# KiCad board Accumulator.kicad_pcb
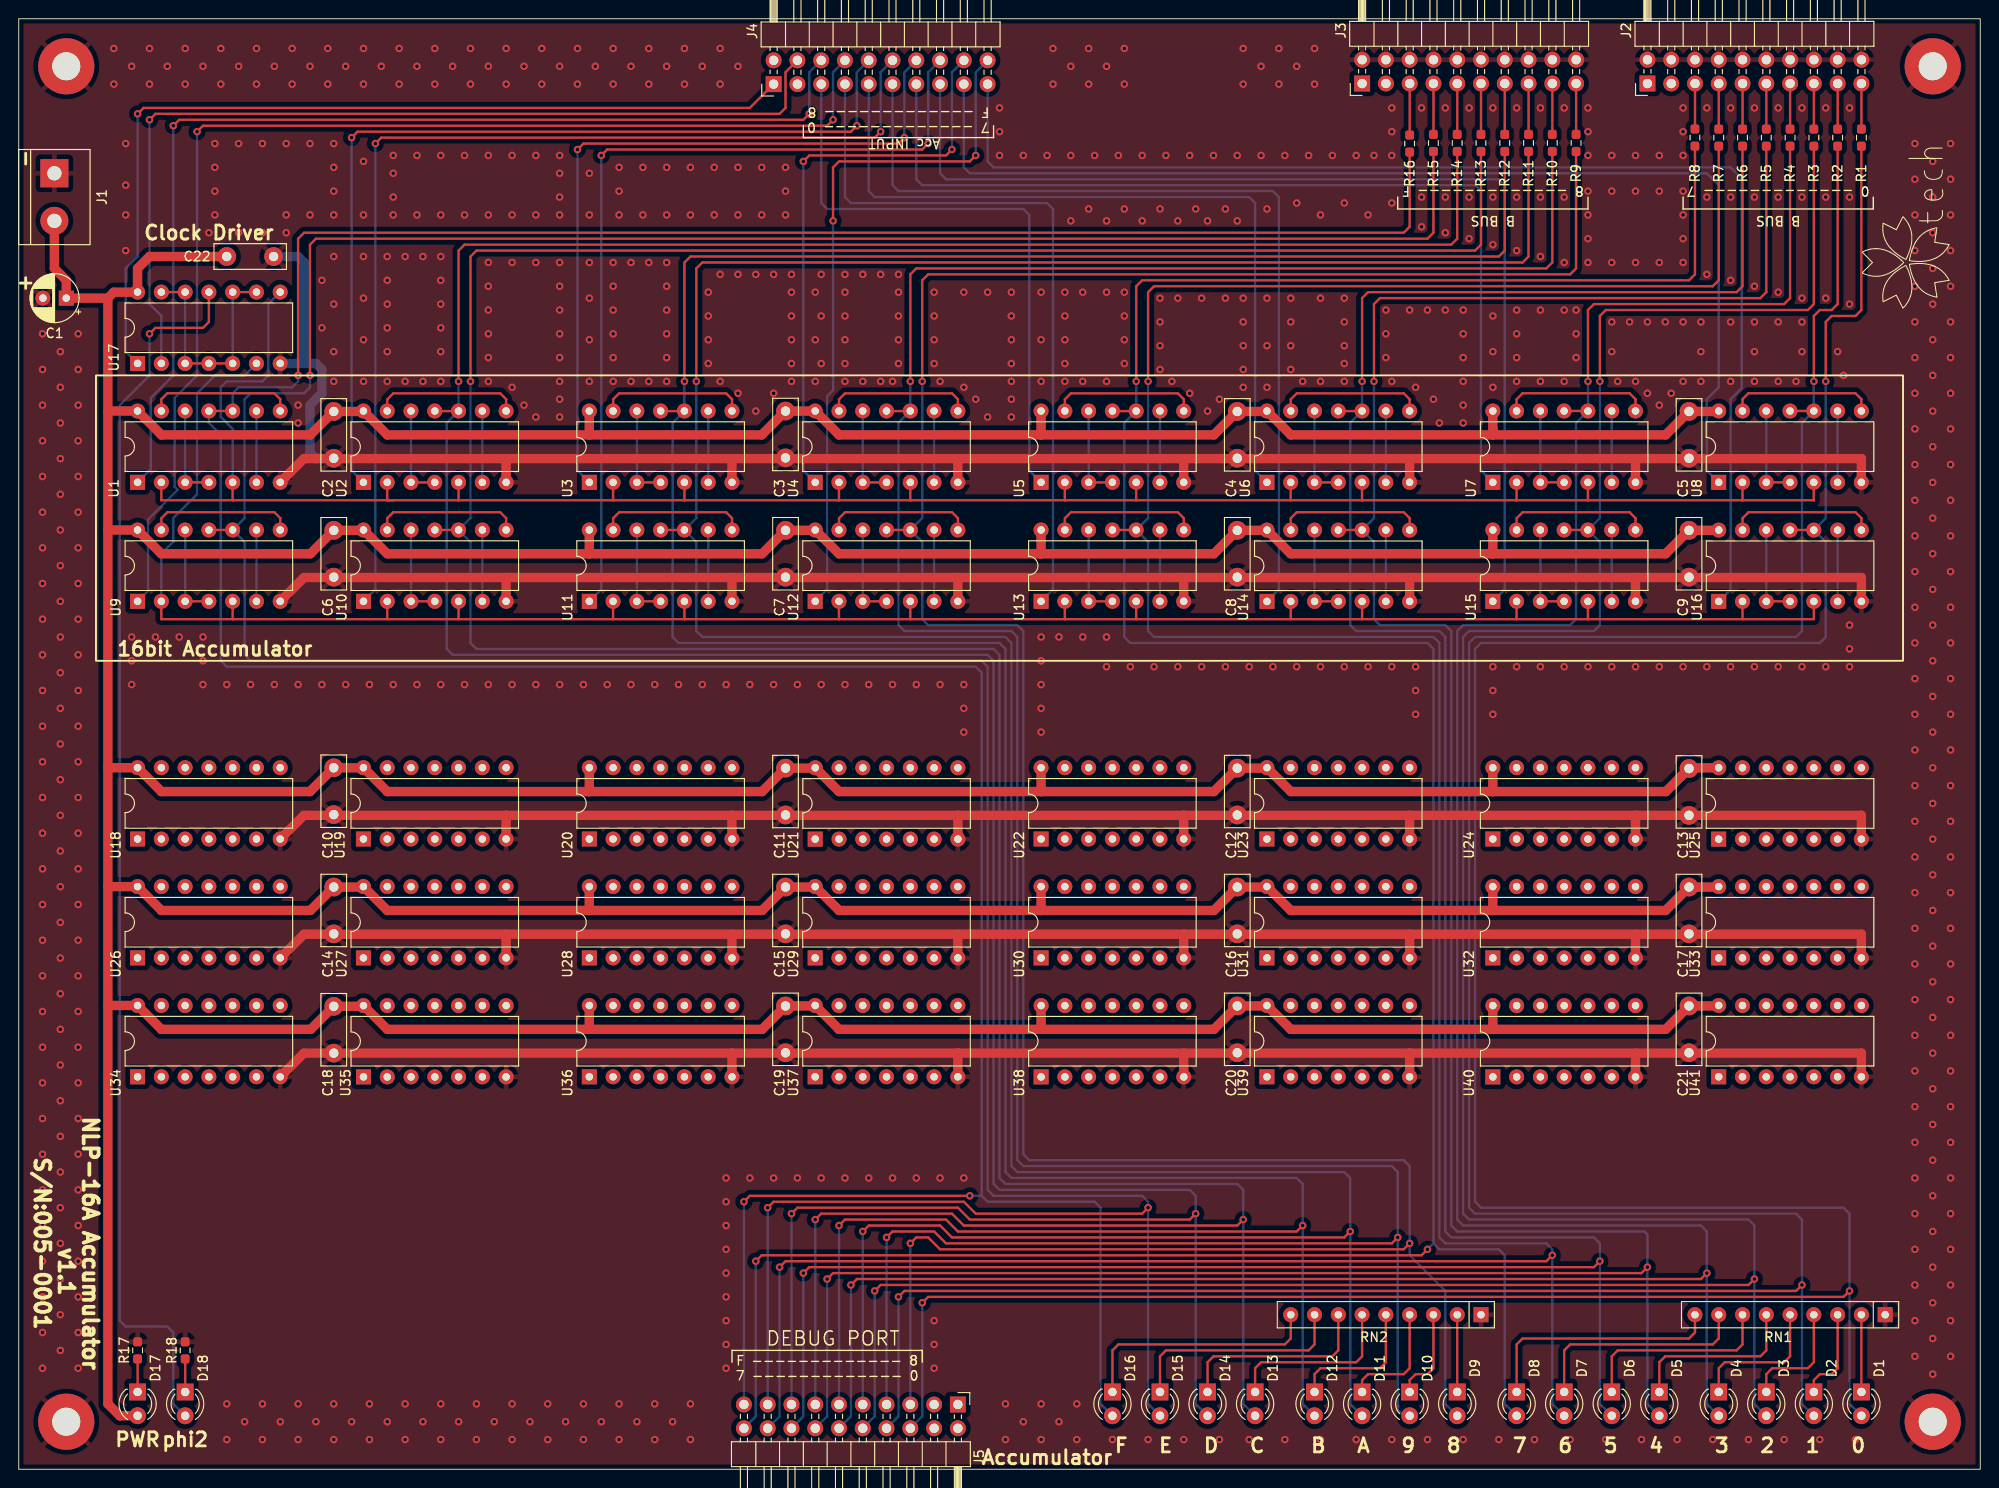
[diagram p0: board, top side]
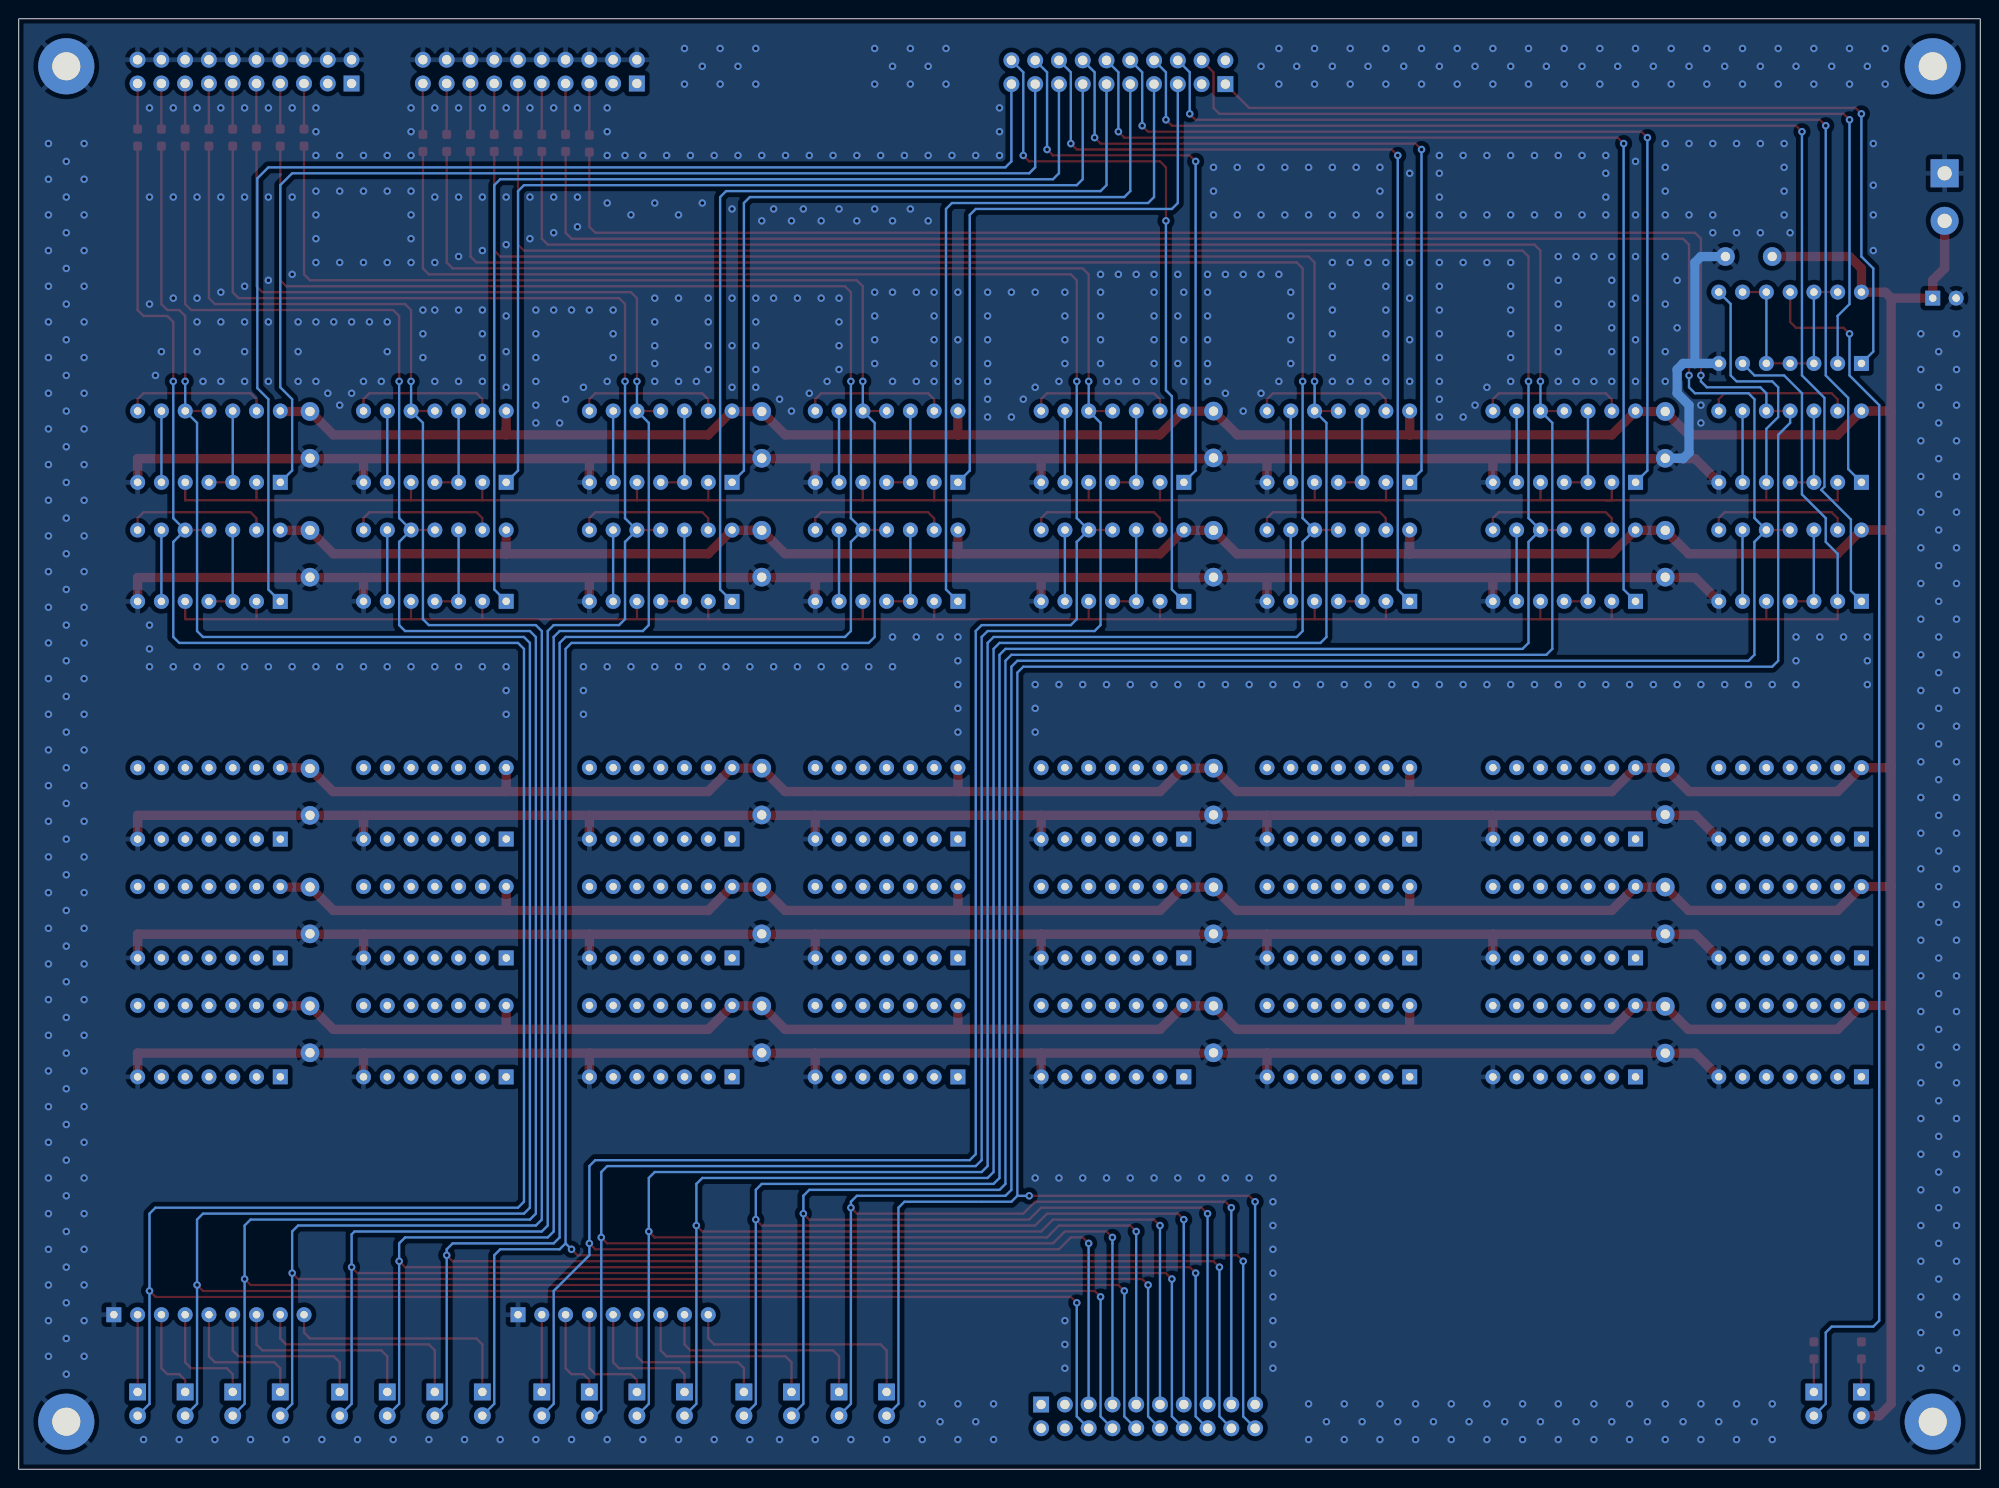
[diagram p1: board, bottom side, seen from below]

Outline 209.55 x 154.94 mm; copper layers: Top, Bottom. Coordinates in mm from the lower left corner of the outline.
Outline path: rectangle 0,154.94 209.55,0
Stack: Top 0.035mm / dielectric 1.51mm FR4 er 4.5 / Bottom 0.035mm

## Placement (name value [footprint] x y rotation side)
C1  C_Polarized  [CP_Radial_D5.0mm_P2.50mm]  5.08 125.09 180 top
C2  C  [C_Disc_D7.5mm_W2.5mm_P5.00mm]  33.66 112.99 270 top
C3  C  [C_Disc_D7.5mm_W2.5mm_P5.00mm]  81.92 113.03 270 top
C4  C  [C_Disc_D7.5mm_W2.5mm_P5.00mm]  130.18 112.99 270 top
C5  C  [C_Disc_D7.5mm_W2.5mm_P5.00mm]  178.44 112.99 270 top
C6  C  [C_Disc_D7.5mm_W2.5mm_P5.00mm]  33.66 100.29 270 top
C7  C  [C_Disc_D7.5mm_W2.5mm_P5.00mm]  81.92 100.29 270 top
C8  C  [C_Disc_D7.5mm_W2.5mm_P5.00mm]  130.18 100.29 270 top
C9  C  [C_Disc_D7.5mm_W2.5mm_P5.00mm]  178.44 100.29 270 top
C10  C  [C_Disc_D7.5mm_W2.5mm_P5.00mm]  33.66 74.93 270 top
C11  C  [C_Disc_D7.5mm_W2.5mm_P5.00mm]  81.92 74.89 270 top
C12  C  [C_Disc_D7.5mm_W2.5mm_P5.00mm]  130.18 74.89 270 top
C13  C  [C_Disc_D7.5mm_W2.5mm_P5.00mm]  178.44 74.85 270 top
C14  C  [C_Disc_D7.5mm_W2.5mm_P5.00mm]  33.66 62.19 270 top
C15  C  [C_Disc_D7.5mm_W2.5mm_P5.00mm]  81.92 62.19 270 top
C16  C  [C_Disc_D7.5mm_W2.5mm_P5.00mm]  130.18 62.19 270 top
C17  C  [C_Disc_D7.5mm_W2.5mm_P5.00mm]  178.44 62.19 270 top
C18  C  [C_Disc_D7.5mm_W2.5mm_P5.00mm]  33.66 49.45 270 top
C19  C  [C_Disc_D7.5mm_W2.5mm_P5.00mm]  81.92 49.49 270 top
C20  C  [C_Disc_D7.5mm_W2.5mm_P5.00mm]  130.18 49.49 270 top
C21  C  [C_Disc_D7.5mm_W2.5mm_P5.00mm]  178.44 49.49 270 top
C22  C  [C_Disc_D7.5mm_W2.5mm_P5.00mm]  22.22 129.54 0 top
D1  LED  [LED_D3.0mm]  196.85 8.26 270 top
D2  LED  [LED_D3.0mm]  191.77 8.26 270 top
D3  LED  [LED_D3.0mm]  186.69 8.26 270 top
D4  LED  [LED_D3.0mm]  181.61 8.26 270 top
D5  LED  [LED_D3.0mm]  175.26 8.25 270 top
D6  LED  [LED_D3.0mm]  170.18 8.26 270 top
D7  LED  [LED_D3.0mm]  165.1 8.26 270 top
D8  LED  [LED_D3.0mm]  160.02 8.26 270 top
D9  LED  [LED_D3.0mm]  153.67 8.26 270 top
D10  LED  [LED_D3.0mm]  148.59 8.25 270 top
D11  LED  [LED_D3.0mm]  143.51 8.25 270 top
D12  LED  [LED_D3.0mm]  138.43 8.26 270 top
D13  LED  [LED_D3.0mm]  132.08 8.26 270 top
D14  LED  [LED_D3.0mm]  127 8.26 270 top
D15  LED  [LED_D3.0mm]  121.92 8.26 270 top
D16  LED  [LED_D3.0mm]  116.84 8.26 270 top
D17  LED  [LED_D3.0mm]  12.7 8.26 270 top
D18  LED  [LED_D3.0mm]  17.78 8.25 270 top
G***  -  [LOGO]  201.93 133.35 90 top
H1  MountingHole_Pad  [MountingHole_3mm_Pad]  5.08 149.86 0 top
H2  MountingHole_Pad  [MountingHole_3mm_Pad]  204.47 149.86 0 top
H3  MountingHole_Pad  [MountingHole_3mm_Pad]  204.47 5.08 0 top
H4  MountingHole_Pad  [MountingHole_3mm_Pad]  5.08 5.08 0 top
J1  Screw_Terminal_01x02  [TerminalBlock_bornier-2_P5.08mm]  3.81 138.43 270 top
J2  Conn_02x10_Counter_Clockwise  [PinHeader_2x10_P2.54mm_Horizontal]  174 148.02 90 top
J3  Conn_02x10_Counter_Clockwise  [PinHeader_2x10_P2.54mm_Horizontal]  143.52 148.02 90 top
J4  Conn_02x10_Odd_Even  [PinHeader_2x10_P2.54mm_Horizontal]  80.64 147.95 90 top
J5  Conn_02x10_Odd_Even  [PinHeader_2x10_P2.54mm_Horizontal]  100.33 6.92 270 top
R1  R  [R_0603_1608Metric_Pad0.98x0.95mm_HandSolder]  196.85 142.24 90 top
R2  R  [R_0603_1608Metric_Pad0.98x0.95mm_HandSolder]  194.31 142.24 90 top
R3  R  [R_0603_1608Metric_Pad0.98x0.95mm_HandSolder]  191.77 142.24 90 top
R4  R  [R_0603_1608Metric_Pad0.98x0.95mm_HandSolder]  189.23 142.24 90 top
R5  R  [R_0603_1608Metric_Pad0.98x0.95mm_HandSolder]  186.69 142.24 90 top
R6  R  [R_0603_1608Metric_Pad0.98x0.95mm_HandSolder]  184.15 142.24 90 top
R7  R  [R_0603_1608Metric_Pad0.98x0.95mm_HandSolder]  181.61 142.24 90 top
R8  R  [R_0603_1608Metric_Pad0.98x0.95mm_HandSolder]  179.07 142.25 90 top
R9  R  [R_0603_1608Metric_Pad0.98x0.95mm_HandSolder]  166.37 141.67 90 top
R10  R  [R_0603_1608Metric_Pad0.98x0.95mm_HandSolder]  163.83 141.67 90 top
R11  R  [R_0603_1608Metric_Pad0.98x0.95mm_HandSolder]  161.29 141.67 90 top
R12  R  [R_0603_1608Metric_Pad0.98x0.95mm_HandSolder]  158.75 141.67 90 top
R13  R  [R_0603_1608Metric_Pad0.98x0.95mm_HandSolder]  156.21 141.67 90 top
R14  R  [R_0603_1608Metric_Pad0.98x0.95mm_HandSolder]  153.67 141.67 90 top
R15  R  [R_0603_1608Metric_Pad0.98x0.95mm_HandSolder]  151.13 141.67 90 top
R16  R  [R_0603_1608Metric_Pad0.98x0.95mm_HandSolder]  148.59 141.6 90 top
R17  R  [R_0603_1608Metric_Pad0.98x0.95mm_HandSolder]  12.7 12.7 90 top
R18  R  [R_0603_1608Metric_Pad0.98x0.95mm_HandSolder]  17.78 12.7 90 top
RN1  R_Network08_Split  [R_Array_SIP9]  199.39 16.51 180 top
RN2  R_Network08_Split  [R_Array_SIP9]  156.21 16.51 180 top
U1  CD74HC00  [DIP-14_W7.62mm]  12.7 105.42 90 top
U2  CD74HC00  [DIP-14_W7.62mm]  36.83 105.42 90 top
U3  CD74HC00  [DIP-14_W7.62mm]  60.95 105.42 90 top
U4  CD74HC00  [DIP-14_W7.62mm]  85.09 105.42 90 top
U5  CD74HC00  [DIP-14_W7.62mm]  109.22 105.42 90 top
U6  CD74HC00  [DIP-14_W7.62mm]  133.34 105.42 90 top
U7  CD74HC00  [DIP-14_W7.62mm]  157.47 105.42 90 top
U8  CD74HC00  [DIP-14_W7.62mm]  181.6 105.42 90 top
U9  CD74HC00  [DIP-14_W7.62mm]  12.7 92.71 90 top
U10  CD74HC00  [DIP-14_W7.62mm]  36.83 92.71 90 top
U11  CD74HC00  [DIP-14_W7.62mm]  60.95 92.71 90 top
U12  CD74HC00  [DIP-14_W7.62mm]  85.09 92.71 90 top
U13  CD74HC00  [DIP-14_W7.62mm]  109.22 92.71 90 top
U14  CD74HC00  [DIP-14_W7.62mm]  133.35 92.7 90 top
U15  CD74HC00  [DIP-14_W7.62mm]  157.47 92.71 90 top
U16  CD74HC00  [DIP-14_W7.62mm]  181.61 92.7 90 top
U17  CD74HC00  [DIP-14_W7.62mm]  12.7 118.12 90 top
U18  CD74HC00  [DIP-14_W7.62mm]  12.7 67.32 90 top
U19  CD74HC00  [DIP-14_W7.62mm]  36.83 67.32 90 top
U20  CD74HC00  [DIP-14_W7.62mm]  60.95 67.32 90 top
U21  CD74HC00  [DIP-14_W7.62mm]  85.09 67.31 90 top
U22  CD74HC00  [DIP-14_W7.62mm]  109.22 67.32 90 top
U23  CD74HC00  [DIP-14_W7.62mm]  133.34 67.32 90 top
U24  CD74HC00  [DIP-14_W7.62mm]  157.47 67.32 90 top
U25  CD74HC00  [DIP-14_W7.62mm]  181.6 67.31 90 top
U26  CD74HC00  [DIP-14_W7.62mm]  12.7 54.62 90 top
U27  CD74HC00  [DIP-14_W7.62mm]  36.83 54.62 90 top
U28  CD74HC00  [DIP-14_W7.62mm]  60.95 54.62 90 top
U29  CD74HC00  [DIP-14_W7.62mm]  85.09 54.62 90 top
U30  CD74HC00  [DIP-14_W7.62mm]  109.22 54.62 90 top
U31  CD74HC00  [DIP-14_W7.62mm]  133.34 54.62 90 top
U32  CD74HC00  [DIP-14_W7.62mm]  157.47 54.62 90 top
U33  CD74HC00  [DIP-14_W7.62mm]  181.6 54.62 90 top
U34  CD74HC00  [DIP-14_W7.62mm]  12.7 41.92 90 top
U35  CD74HC00  [DIP-14_W7.62mm]  36.83 41.91 90 top
U36  CD74HC00  [DIP-14_W7.62mm]  60.95 41.92 90 top
U37  CD74HC00  [DIP-14_W7.62mm]  85.09 41.92 90 top
U38  CD74HC00  [DIP-14_W7.62mm]  109.22 41.91 90 top
U39  CD74HC00  [DIP-14_W7.62mm]  133.34 41.92 90 top
U40  CD74HC00  [DIP-14_W7.62mm]  157.48 41.91 90 top
U41  CD74HC00  [DIP-14_W7.62mm]  181.6 41.92 90 top

## Footprints (pads in the part's own frame, mm; a bottom-side part is the same pattern mirrored in y, then rotated)
C_Disc_D7.5mm_W2.5mm_P5.00mm
  round 2 hole 1: 1(0,0) 2(5,0)
CP_Radial_D5.0mm_P2.50mm
  rect 1.6x1.6 hole 0.8: 1(0,0)
  round 1.6 hole 0.8: 2(2.5,0)
DIP-14_W7.62mm
  rect 1.6x1.6 hole 0.8: 1(0,0)
  oval 1.6x1.6 hole 0.8: 2(0,-2.54) 3(0,-5.08) 4(0,-7.62) 5(0,-10.16) 6(0,-12.7) 7(0,-15.24) 8(7.62,-15.24) 9(7.62,-12.7) 10(7.62,-10.16) 11(7.62,-7.62) 12(7.62,-5.08) 13(7.62,-2.54) 14(7.62,0)
LED_D3.0mm
  rect 1.8x1.8 hole 0.9: 1(0,0)
  round 1.8 hole 0.9: 2(2.54,0)
MountingHole_3mm_Pad
  round 6 hole 3: 1(0,0)
PinHeader_2x10_P2.54mm_Horizontal
  rect 1.7x1.7 hole 1: 1(0,0)
  oval 1.7x1.7 hole 1: 2(2.54,0) 3(0,-2.54) 4(2.54,-2.54) 5(0,-5.08) 6(2.54,-5.08) 7(0,-7.62) 8(2.54,-7.62) 9(0,-10.16) 10(2.54,-10.16) 11(0,-12.7) 12(2.54,-12.7) 13(0,-15.24) 14(2.54,-15.24) 15(0,-17.78) 16(2.54,-17.78) 17(0,-20.32) 18(2.54,-20.32) 19(0,-22.86) 20(2.54,-22.86)
R_0603_1608Metric_Pad0.98x0.95mm_HandSolder
  rrect 0.975x0.95 smd: 1(-0.912,0) 2(0.912,0)
R_Array_SIP9
  rect 1.6x1.6 hole 0.8: 1(0,0)
  oval 1.6x1.6 hole 0.8: 2(2.54,0) 3(5.08,0) 4(7.62,0) 5(10.16,0) 6(12.7,0) 7(15.24,0) 8(17.78,0) 9(20.32,0)
TerminalBlock_bornier-2_P5.08mm
  rect 3x3 hole 1.52: 1(0,0)
  round 3 hole 1.52: 2(5.08,0)

## Nets
GND: C1.2 C2.2 C3.2 C4.2 C5.2 C6.2 C7.2 C8.2 C9.2 C10.2 C11.2 C12.2 C13.2 C14.2 C15.2 C16.2 C17.2 C18.2 C19.2 C20.2 C21.2 C22.2 H1.1 H2.1 H3.1 H4.1 J1.1 J2.2 J2.4 J2.6 J2.8 J2.10 J2.12 J2.14 J2.16 J2.18 J2.20 J3.2 J3.4 J3.6 J3.8 J3.10 J3.12 J3.14 J3.16 J3.18 J3.20 R17.2 R18.2 RN1.1 RN2.1 U1.7 U2.7 U3.7 U4.7 U5.7 U6.7 U7.7 U8.7 U9.7 U10.7 U11.7 U12.7 U13.7 U14.7 U15.7 U16.7 U17.7 U18.7 U19.7 U20.7 U21.7 U22.7 U23.7 U24.7 U25.7 U26.7 U27.7 U28.7 U29.7 U30.7 U31.7 U32.7 U33.7 U34.7 U35.7 U36.7 U37.7 U38.7 U39.7 U40.7 U41.7
VCC: C1.1 C2.1 C3.1 C4.1 C5.1 C6.1 C7.1 C8.1 C9.1 C10.1 C11.1 C12.1 C13.1 C14.1 C15.1 C16.1 C17.1 C18.1 C19.1 C20.1 C21.1 C22.1 D17.2 J1.2 U1.14 U2.14 U3.14 U4.14 U5.14 U6.14 U7.14 U8.14 U9.14 U10.14 U11.14 U12.14 U13.14 U14.14 U15.14 U16.14 U17.14 U18.14 U19.14 U20.14 U21.14 U22.14 U23.14 U24.14 U25.14 U26.14 U27.14 U28.14 U29.14 U30.14 U31.14 U32.14 U33.14 U34.14 U35.14 U36.14 U37.14 U38.14 U39.14 U40.14 U41.14
/Acc0/Gate: U9.2 U9.5 U10.2 U10.5 U11.2 U11.5 U12.2 U12.5 U13.2 U13.5 U14.2 U14.5 U15.2 U15.5 U16.2 U16.5 U17.6
/Acc1/Gate: U1.2 U1.5 U2.2 U2.5 U3.2 U3.5 U4.2 U4.5 U5.2 U5.5 U6.2 U6.5 U7.2 U7.5 U8.2 U8.5 U17.8
/DEBUG0: D1.2 J5.6 R1.1 U16.10 U16.11
/DEBUG1: D2.2 J5.8 R2.1 U8.10 U8.11
/DEBUG2: D3.2 J5.10 R3.1 U15.10 U15.11
/DEBUG3: D4.2 J5.12 R4.1 U7.10 U7.11
/DEBUG4: D5.2 J5.14 R5.1 U14.10 U14.11
/DEBUG5: D6.2 J5.16 R6.1 U6.10 U6.11
/DEBUG6: D7.2 J5.18 R7.1 U13.10 U13.11
/DEBUG7: D8.2 J5.20 R8.1 U5.10 U5.11
/DEBUG8: D9.2 J5.5 R9.1 U12.10 U12.11
/DEBUG9: D10.2 J5.7 R10.1 U4.10 U4.11
/DEBUG10: D11.2 J5.9 R11.1 U11.10 U11.11
/DEBUG11: D12.2 J5.11 R12.1 U3.10 U3.11
/DEBUG12: D13.2 J5.13 R13.1 U10.10 U10.11
/DEBUG13: D14.2 J5.15 R14.1 U2.10 U2.11
/DEBUG14: D15.2 J5.17 R15.1 U9.10 U9.11
/DEBUG15: D16.2 J5.19 R16.1 U1.10 U1.11
AccIN0: J4.19 U16.1
AccIN1: J4.17 U8.1
AccIN2: J4.15 U15.1
AccIN3: J4.13 U7.1
AccIN4: J4.11 U14.1
AccIN5: J4.9 U6.1
AccIN6: J4.7 U13.1
AccIN7: J4.5 U5.1
AccIN8: J4.20 U12.1
AccIN9: J4.18 U4.1
AccIN10: J4.16 U11.1
AccIN11: J4.14 U3.1
AccIN12: J4.12 U10.1
AccIN13: J4.10 U2.1
AccIN14: J4.8 U9.1
AccIN15: J4.6 U1.1
OUT0: J2.19 R1.2
OUT1: J2.17 R2.2
OUT2: J2.15 R3.2
OUT3: J2.13 R4.2
OUT4: J2.11 R5.2
OUT5: J2.9 R6.2
OUT6: J2.7 R7.2
OUT7: J2.5 R8.2
OUT8: J3.19 R9.2
OUT9: J3.17 R10.2
OUT10: J3.15 R11.2
OUT11: J3.13 R12.2
OUT12: J3.11 R13.2
OUT13: J3.9 R14.2
OUT14: J3.7 R15.2
OUT15: J3.5 R16.2
phi2: J4.1 U17.1
~Acc: J4.4 U17.2
~INTERNAL: J4.2
Net-(D1-Pad1): D1.1 RN1.2
Net-(D2-Pad1): D2.1 RN1.3
Net-(D3-Pad1): D3.1 RN1.4
Net-(D4-Pad1): D4.1 RN1.5
Net-(D5-Pad1): D5.1 RN1.6
Net-(D6-Pad1): D6.1 RN1.7
Net-(D7-Pad1): D7.1 RN1.8
Net-(D8-Pad1): D8.1 RN1.9
Net-(D9-Pad1): D9.1 RN2.2
Net-(D10-Pad1): D10.1 RN2.3
Net-(D11-Pad1): D11.1 RN2.4
Net-(D12-Pad1): D12.1 RN2.5
Net-(D13-Pad1): D13.1 RN2.6
Net-(D14-Pad1): D14.1 RN2.7
Net-(D15-Pad1): D15.1 RN2.8
Net-(D16-Pad1): D16.1 RN2.9
Net-(D17-Pad1): D17.1 R17.1
Net-(D18-Pad1): D18.1 R18.1
Net-(D18-Pad2): D18.2 U17.11
Net-(U1-Pad6): U1.6 U1.9
Net-(U1-Pad12): U1.3 U1.4 U1.12
Net-(U1-Pad13): U1.8 U1.13
Net-(U2-Pad6): U2.6 U2.9
Net-(U2-Pad12): U2.3 U2.4 U2.12
Net-(U2-Pad13): U2.8 U2.13
Net-(U3-Pad6): U3.6 U3.9
Net-(U3-Pad12): U3.3 U3.4 U3.12
Net-(U3-Pad13): U3.8 U3.13
Net-(U4-Pad6): U4.6 U4.9
Net-(U4-Pad12): U4.3 U4.4 U4.12
Net-(U4-Pad13): U4.8 U4.13
Net-(U5-Pad6): U5.6 U5.9
Net-(U5-Pad12): U5.3 U5.4 U5.12
Net-(U5-Pad13): U5.8 U5.13
Net-(U6-Pad6): U6.6 U6.9
Net-(U6-Pad12): U6.3 U6.4 U6.12
Net-(U6-Pad13): U6.8 U6.13
Net-(U7-Pad6): U7.6 U7.9
Net-(U7-Pad12): U7.3 U7.4 U7.12
Net-(U7-Pad13): U7.8 U7.13
Net-(U8-Pad6): U8.6 U8.9
Net-(U8-Pad12): U8.3 U8.4 U8.12
Net-(U8-Pad13): U8.8 U8.13
Net-(U9-Pad6): U9.6 U9.9
Net-(U9-Pad12): U9.3 U9.4 U9.12
Net-(U9-Pad13): U9.8 U9.13
Net-(U10-Pad6): U10.6 U10.9
Net-(U10-Pad12): U10.3 U10.4 U10.12
Net-(U10-Pad13): U10.8 U10.13
Net-(U11-Pad6): U11.6 U11.9
Net-(U11-Pad12): U11.3 U11.4 U11.12
Net-(U11-Pad13): U11.8 U11.13
Net-(U12-Pad6): U12.6 U12.9
Net-(U12-Pad12): U12.3 U12.4 U12.12
Net-(U12-Pad13): U12.8 U12.13
Net-(U13-Pad6): U13.6 U13.9
Net-(U13-Pad12): U13.3 U13.4 U13.12
Net-(U13-Pad13): U13.8 U13.13
Net-(U14-Pad6): U14.6 U14.9
Net-(U14-Pad12): U14.3 U14.4 U14.12
Net-(U14-Pad13): U14.8 U14.13
Net-(U15-Pad6): U15.6 U15.9
Net-(U15-Pad12): U15.3 U15.4 U15.12
Net-(U15-Pad13): U15.8 U15.13
Net-(U16-Pad6): U16.6 U16.9
Net-(U16-Pad12): U16.3 U16.4 U16.12
Net-(U16-Pad13): U16.8 U16.13
Net-(U17-Pad10): U17.3 U17.4 U17.5 U17.9 U17.10 U17.12 U17.13

Pads without a net: J2 1 3; J3 1 3; J4 3; J5 1 2 3 4; U18 1 2 3 4 5 6 8 9 10 11 12 13; U19 1 2 3 4 5 6 8 9 10 11 12 13; U20 1 2 3 4 5 6 8 9 10 11 12 13; U21 1 2 3 4 5 6 8 9 10 11 12 13; U22 1 2 3 4 5 6 8 9 10 11 12 13; U23 1 2 3 4 5 6 8 9 10 11 12 13; U24 1 2 3 4 5 6 8 9 10 11 12 13; U25 1 2 3 4 5 6 8 9 10 11 12 13; U26 1 2 3 4 5 6 8 9 10 11 12 13; U27 1 2 3 4 5 6 8 9 10 11 12 13; U28 1 2 3 4 5 6 8 9 10 11 12 13; U29 1 2 3 4 5 6 8 9 10 11 12 13; U30 1 2 3 4 5 6 8 9 10 11 12 13; U31 1 2 3 4 5 6 8 9 10 11 12 13; U32 1 2 3 4 5 6 8 9 10 11 12 13; U33 1 2 3 4 5 6 8 9 10 11 12 13; U34 1 2 3 4 5 6 8 9 10 11 12 13; U35 1 2 3 4 5 6 8 9 10 11 12 13; U36 1 2 3 4 5 6 8 9 10 11 12 13; U37 1 2 3 4 5 6 8 9 10 11 12 13; U38 1 2 3 4 5 6 8 9 10 11 12 13; U39 1 2 3 4 5 6 8 9 10 11 12 13; U40 1 2 3 4 5 6 8 9 10 11 12 13; U41 1 2 3 4 5 6 8 9 10 11 12 13

## Via types
v1: diameter 0.8, hole 0.4, Top to Bottom, 906 vias
